# KiCad board Whimsy.kicad_pcb
title: Whimsy; date: 2020-03-06; rev: 0.2; company: Prkns
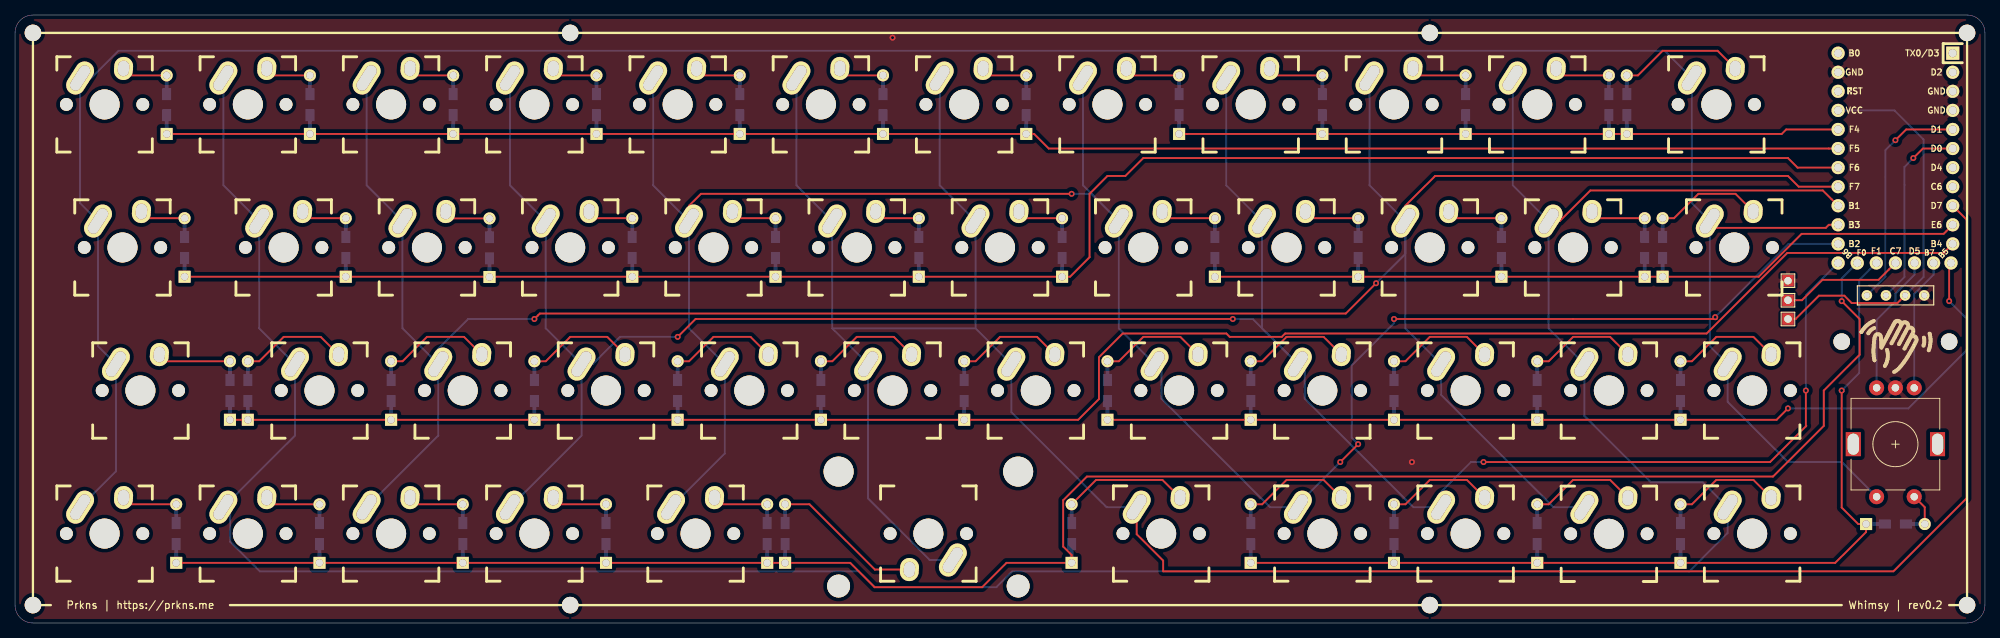
[diagram p0: board, top side]
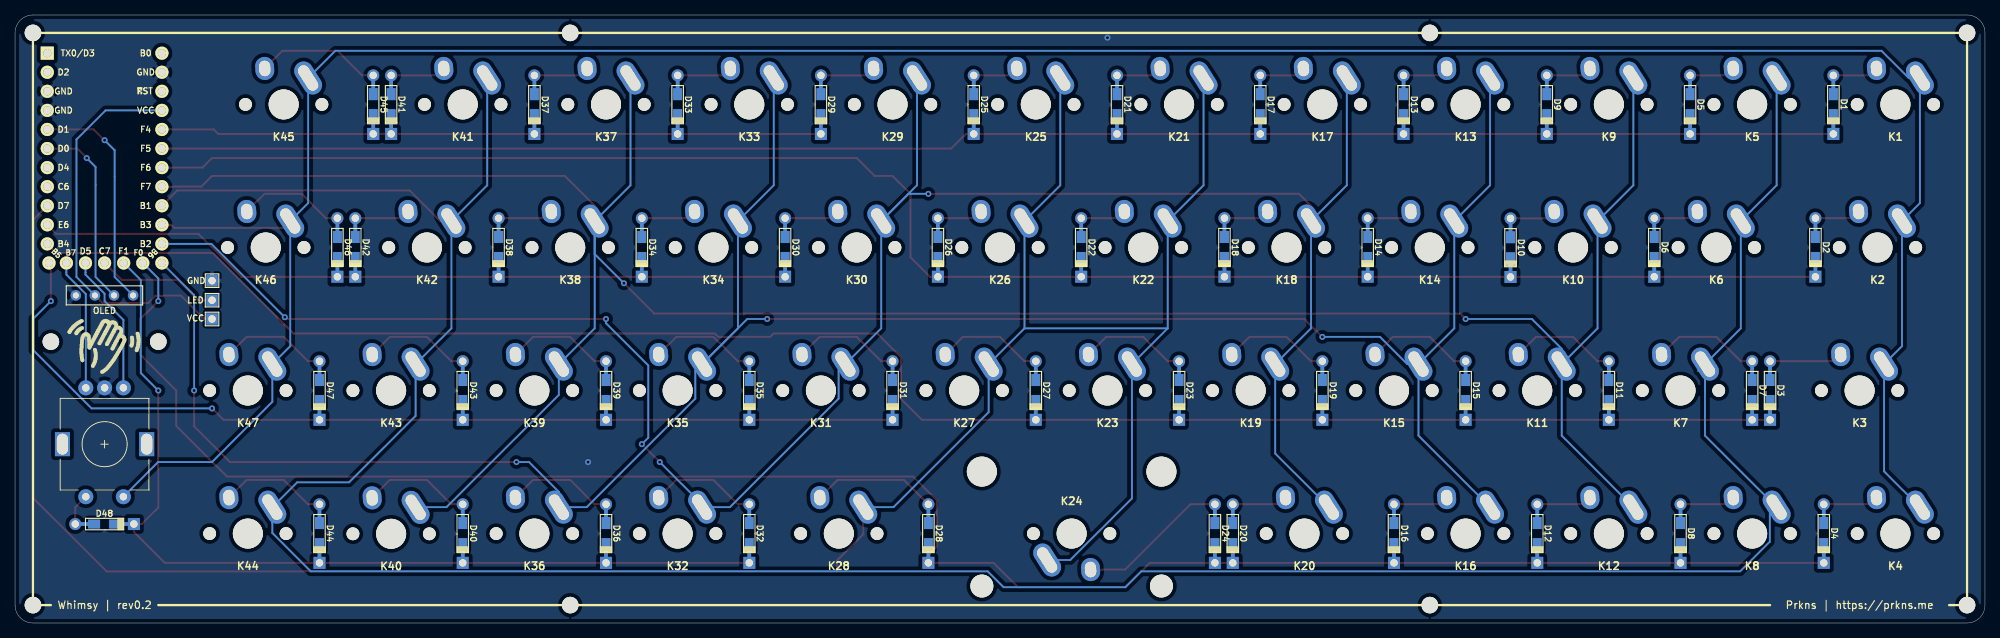
[diagram p1: board, bottom side, seen from below]

Outline 261.94 x 80.96 mm; copper layers: Top, Bottom. Coordinates in mm from the lower left corner of the outline.
Outline path: 0,78.58 arc(0.7,80.27) 2.38,80.96 259.56,80.96 arc(261.24,80.27) 261.94,78.58 261.94,2.38 arc(261.24,0.7) 259.56,0 2.38,0 arc(0.7,0.7) 0,2.38 0,78.58

## Placement (name value [footprint] x y rotation side)
BOTTOM_C_L  -  [MountingHole_2.2mm_M2]  73.82 2.38 0 top
BOTTOM_C_R  -  [MountingHole_2.2mm_M2]  188.12 2.38 0 top
BOTTOM_L  -  [MountingHole_2.2mm_M2]  2.38 2.38 0 top
BOTTOM_R  -  [MountingHole_2.2mm_M2]  259.56 2.38 0 top
D1  D  [Diode-Hybrid-Back]  20.16 69.02 270 top
D2  D  [Diode-Hybrid-Back]  22.54 50.01 270 top
D3  D  [Diode-Hybrid-Back]  28.57 30.96 270 top
D4  D  [Diode-Hybrid-Back]  21.43 11.91 270 top
D5  D  [Diode-Hybrid-Back]  39.21 69.02 270 top
D6  D  [Diode-Hybrid-Back]  43.97 50.01 270 top
D7  D  [Diode-Hybrid-Back]  30.96 30.96 270 top
D8  D  [Diode-Hybrid-Back]  40.48 11.91 270 top
D9  D  [Diode-Hybrid-Back]  58.26 69.02 270 top
D10  D  [Diode-Hybrid-Back]  63.09 49.97 270 top
D11  D  [Diode-Hybrid-Back]  50.01 30.96 270 top
D12  D  [Diode-Hybrid-Back]  59.53 11.91 270 top
D13  D  [Diode-Hybrid-Back]  77.31 69.02 270 top
D14  D  [Diode-Hybrid-Back]  82.07 50.01 270 top
D15  D  [Diode-Hybrid-Back]  69.06 30.96 270 top
D16  D  [Diode-Hybrid-Back]  78.58 11.91 270 top
D17  D  [Diode-Hybrid-Back]  96.36 69.02 270 top
D18  D  [Diode-Hybrid-Back]  101.12 50.01 270 top
D19  D  [Diode-Hybrid-Back]  88.11 30.96 270 top
D20  D  [Diode-Hybrid-Back]  100.01 11.91 270 top
D21  D  [Diode-Hybrid-Back]  115.41 69.02 270 top
D22  D  [Diode-Hybrid-Back]  120.17 50.01 270 top
D23  D  [Diode-Hybrid-Back]  107.16 30.96 270 top
D24  D  [Diode-Hybrid-Back]  102.39 11.91 270 top
D25  D  [Diode-Hybrid-Back]  134.46 69.02 270 top
D26  D  [Diode-Hybrid-Back]  139.22 50.01 270 top
D27  D  [Diode-Hybrid-Back]  126.21 30.96 270 top
D28  D  [Diode-Hybrid-Back]  140.49 11.91 270 top
D29  D  [Diode-Hybrid-Back]  154.78 69.02 270 top
D30  D  [Diode-Hybrid-Back]  159.54 50.01 270 top
D31  D  [Diode-Hybrid-Back]  145.26 30.96 270 top
D32  D  [Diode-Hybrid-Back]  164.31 11.91 270 top
D33  D  [Diode-Hybrid-Back]  173.83 69.02 270 top
D34  D  [Diode-Hybrid-Back]  178.59 50.01 270 top
D35  D  [Diode-Hybrid-Back]  164.31 30.96 270 top
D36  D  [Diode-Hybrid-Back]  183.36 11.91 270 top
D37  D  [Diode-Hybrid-Back]  192.88 69.02 270 top
D38  D  [Diode-Hybrid-Back]  197.64 50.01 270 top
D39  D  [Diode-Hybrid-Back]  183.36 30.96 270 top
D40  D  [Diode-Hybrid-Back]  202.41 11.91 270 top
D41  D  [Diode-Hybrid-Back]  211.93 69.02 270 top
D42  D  [Diode-Hybrid-Back]  216.69 50.01 270 top
D43  D  [Diode-Hybrid-Back]  202.41 30.96 270 top
D44  D  [Diode-Hybrid-Back]  221.46 11.91 270 top
D45  D  [Diode-Hybrid-Back]  214.31 69.02 270 top
D46  D  [Diode-Hybrid-Back]  219.08 50.01 270 top
D47  D  [Diode-Hybrid-Back]  221.46 30.96 270 top
D48  D  [Diode-Hybrid-Back]  250.03 13.18 180 top
J1  OLED  [OLED_4Pin]  246.24 43.62 0 top
J2  LED Breakout  [LED]  235.74 40.48 180 top
K1  KEYSW  [Mx_Alps_100]  11.91 69.06 0 top
K2  KEYSW  [Mx_Alps_125]  14.29 50.01 0 top
K3  KEYSW  [Mx_Alps_150]  16.67 30.96 0 top
K4  KEYSW  [Mx_Alps_100]  11.91 11.91 0 top
K5  KEYSW  [Mx_Alps_100]  30.96 69.06 0 top
K6  KEYSW  [Mx_Alps_100]  35.72 50.01 0 top
K7  KEYSW  [Mx_Alps_100]  40.48 30.96 0 top
K8  KEYSW  [Mx_Alps_100]  30.96 11.91 0 top
K9  KEYSW  [Mx_Alps_100]  50.01 69.06 0 top
K10  KEYSW  [Mx_Alps_100]  54.77 50.01 0 top
K11  KEYSW  [Mx_Alps_100]  59.53 30.96 0 top
K12  KEYSW  [Mx_Alps_100]  50.01 11.91 0 top
K13  KEYSW  [Mx_Alps_100]  69.06 69.06 0 top
K14  KEYSW  [Mx_Alps_100]  73.82 50.01 0 top
K15  KEYSW  [Mx_Alps_100]  78.58 30.96 0 top
K16  KEYSW  [Mx_Alps_100]  69.06 11.91 0 top
K17  KEYSW  [Mx_Alps_100]  88.11 69.06 0 top
K18  KEYSW  [Mx_Alps_100]  92.87 50.01 0 top
K19  KEYSW  [Mx_Alps_100]  97.63 30.96 0 top
K20  KEYSW  [Mx_Alps_125]  90.49 11.91 0 top
K21  KEYSW  [Mx_Alps_100]  107.16 69.06 0 top
K22  KEYSW  [Mx_Alps_100]  111.92 50.01 0 top
K23  KEYSW  [Mx_Alps_100]  116.68 30.96 0 top
K24  KEYSW  [Mx_Alps_200]  121.44 11.91 180 top
K25  KEYSW  [Mx_Alps_100]  126.21 69.06 0 top
K26  KEYSW  [Mx_Alps_100]  130.97 50.01 0 top
K27  KEYSW  [Mx_Alps_100]  135.73 30.96 0 top
K28  KEYSW  [Mx_Alps_125]  152.4 11.91 0 top
K29  KEYSW  [Mx_Alps_100]  145.26 69.06 0 top
K30  KEYSW  [Mx_Alps_100]  150.02 50.01 0 top
K31  KEYSW  [Mx_Alps_100]  154.78 30.96 0 top
K32  KEYSW  [Mx_Alps_100]  173.83 11.91 0 top
K33  KEYSW  [Mx_Alps_100]  164.31 69.06 0 top
K34  KEYSW  [Mx_Alps_100]  169.07 50.01 0 top
K35  KEYSW  [Mx_Alps_100]  173.83 30.96 0 top
K36  KEYSW  [Mx_Alps_100]  192.88 11.91 0 top
K37  KEYSW  [Mx_Alps_100]  183.36 69.06 0 top
K38  KEYSW  [Mx_Alps_100]  188.12 50.01 0 top
K39  KEYSW  [Mx_Alps_100]  192.88 30.96 0 top
K40  KEYSW  [Mx_Alps_100]  211.93 11.87 0 top
K41  KEYSW  [Mx_Alps_100]  202.41 69.06 0 top
K42  KEYSW  [Mx_Alps_100]  207.17 50.01 0 top
K43  KEYSW  [Mx_Alps_100]  211.93 30.96 0 top
K44  KEYSW  [Mx_Alps_100]  230.98 11.91 0 top
K45  KEYSW  [Mx_Alps_150]  226.22 69.06 0 top
K46  KEYSW  [Mx_Alps_125]  228.6 50.01 0 top
K47  KEYSW  [Mx_Alps_100]  230.98 30.96 0 top
OLED_L  -  [MountingHole_2.2mm_M2]  242.89 37.47 0 top
OLED_R  -  [MountingHole_2.2mm_M2]  257.18 37.47 0 top
SW1  Rotary_Encoder_Switch  [RotaryEncoder_Alps_EC11E-Switch_Vertical_H20mm-keebio_modified]  250.03 23.81 270 top
TOP_C_L  -  [MountingHole_2.2mm_M2]  73.82 78.58 0 top
TOP_C_R  -  [MountingHole_2.2mm_M2]  188.12 78.58 0 top
TOP_L  -  [MountingHole_2.2mm_M2]  2.38 78.58 0 top
TOP_R  -  [MountingHole_2.2mm_M2]  259.56 78.58 0 top
U1  -  [Elite-C]  250.03 61.91 270 bottom
Wave Back  -  [Wave-Back]  245.27 40.48 0 top
Wave Back#2  -  [Wave-Back]  245.27 40.48 0 bottom

## Library data of the parts
J2 = -: Field4: VCC; Field5: GND; Field6: LED

## Footprints (pads in the part's own frame, mm; a bottom-side part is the same pattern mirrored in y, then rotated)
Diode-Hybrid-Back
  rect 1.6x1.2 smd far side: 1(1.4,0) 2(-1.4,0)
  rect 2.9x0.5 smd far side: 1(2.5,0) 2(-2.5,0)
  rect 1.6x1.6 hole 1: 1(3.9,0)
  round 1.6 hole 1: 2(-3.9,0)
Elite-C
  rect 1.753x1.753 hole 1.092: 1(-13.97,-7.62)
  round 1.753 hole 1.092: 2(-11.43,-7.62) 3(-8.89,-7.62) 4(-6.35,-7.62) 5(-3.81,-7.62) 6(-1.27,-7.62) 7(1.27,-7.62) 8(3.81,-7.62) 9(6.35,-7.62) 10(8.89,-7.62) 11(11.43,-7.62) 12(13.97,-7.391) 13(13.97,7.62) 14(11.43,7.62) 15(8.89,7.62) 16(6.35,7.62) 17(3.81,7.62) 18(1.27,7.62) 19(-1.27,7.62) 20(-3.81,7.62) 21(-6.35,7.62) 22(-8.89,7.62) 23(-11.43,7.62) 24(-13.97,7.62) 25(13.97,-5.08) 26(13.97,-2.54) 27(13.97,0) 28(13.97,2.54) 29(13.97,5.08)
LED
  rect 1.524x1.524 hole 1: 1(0,0) 2(0,-2.5) 3(0,-5.1)
MountingHole_2.2mm_M2
  round 2.2 hole 2.2 unplated: (0,0)
Mx_Alps_100
  round 1.702 hole 1.702 unplated: (-5.08,0) (5.08,0)
  round 3.988 hole 3.988 unplated: (0,0)
  oval 2.5x4.75 hole 1.5x3.75 rot 147.5: 1(-3.255,3.52)
  oval 2.5x3.08 hole 1.5x2.08 rot 176.1: 2(2.52,4.79)
Mx_Alps_125
  round 1.702 hole 1.702 unplated: (-5.08,0) (5.08,0)
  round 3.988 hole 3.988 unplated: (0,0)
  oval 2.5x4.75 hole 1.5x3.75 rot 147.5: 1(-3.255,3.52)
  oval 2.5x3.08 hole 1.5x2.08 rot 176.1: 2(2.52,4.79)
Mx_Alps_150
  round 1.702 hole 1.702 unplated: (-5.08,0) (5.08,0)
  round 3.988 hole 3.988 unplated: (0,0)
  oval 2.5x4.75 hole 1.5x3.75 rot 147.5: 1(-3.255,3.52)
  oval 2.5x3.08 hole 1.5x2.08 rot 176.1: 2(2.52,4.79)
Mx_Alps_200
  round 3.048 hole 3.048 unplated: (-11.938,6.985) (11.938,6.985)
  round 3.988 hole 3.988 unplated: (-11.938,-8.255) (0,0) (11.938,-8.255)
  round 1.702 hole 1.702 unplated: (-5.08,0) (5.08,0)
  oval 2.5x4.75 hole 1.5x3.75 rot 147.5: 1(-3.255,3.52)
  oval 2.5x3.08 hole 1.5x2.08 rot 176.1: 2(2.52,4.79)
OLED_4Pin
  round 1.397 hole 0.813: 1(0,0) 2(2.54,0) 3(5.08,0) 4(7.62,0)
RotaryEncoder_Alps_EC11E-Switch_Vertical_H20mm-keebio_modified
  round 2 hole 1: A(-7.5,2.5) B(-7.5,-2.5) C(-7.5,0) S1(7,-2.5) S2(7,2.5)
  rect 3.2x2 hole 2.8x1.5: MP(0,5.6) MP(0,-5.6)

## Nets
GND: J1.4 J2.3 SW1.C U1.3 U1.4 U1.23
VCC: J1.3 J2.1 U1.21
col0: K1.1 K2.1 K3.1 K4.1 K45.1 K46.1 K47.1 SW1.S1 U1.15
col1: K5.1 K6.1 K7.1 K8.1 K41.1 K42.1 K43.1 K44.1 U1.16
col2: K9.1 K10.1 K11.1 K12.1 K37.1 K38.1 K39.1 K40.1 U1.17
col3: K13.1 K14.1 K15.1 K16.1 K33.1 K34.1 K35.1 K36.1 U1.13
col4: K17.1 K18.1 K19.1 K20.1 K29.1 K30.1 K31.1 K32.1 U1.14
col5: K21.1 K22.1 K23.1 K24.1 K25.1 K26.1 K27.1 K28.1 U1.9
LED: J2.2 U1.27
rot0: SW1.A U1.25
rot1: SW1.B U1.26
row0: D1.1 D5.1 D9.1 D13.1 D17.1 D21.1 D25.1 U1.19
row1: D2.1 D6.1 D10.1 D14.1 D18.1 D22.1 D26.1 U1.18
row2: D3.1 D7.1 D11.1 D15.1 D19.1 D23.1 D27.1 U1.11
row3: D4.1 D8.1 D12.1 D16.1 D20.1 D24.1 D28.1 U1.29
row4: D29.1 D33.1 D37.1 D41.1 D45.1 U1.20
row5: D30.1 D34.1 D38.1 D42.1 D46.1 U1.10
row6: D31.1 D35.1 D39.1 D43.1 D47.1 U1.12
row7: D32.1 D36.1 D40.1 D44.1 D48.1 U1.28
SCL: J1.2 U1.6
SDA: J1.1 U1.5
Net-(D1-Pad2): D1.2 K1.2
Net-(D2-Pad2): D2.2 K2.2
Net-(D3-Pad2): D3.2 K3.2
Net-(D4-Pad2): D4.2 K4.2
Net-(D5-Pad2): D5.2 K5.2
Net-(D6-Pad2): D6.2 K6.2
Net-(D7-Pad2): D7.2 K7.2
Net-(D8-Pad2): D8.2 K8.2
Net-(D9-Pad2): D9.2 K9.2
Net-(D10-Pad2): D10.2 K10.2
Net-(D11-Pad2): D11.2 K11.2
Net-(D12-Pad2): D12.2 K12.2
Net-(D13-Pad2): D13.2 K13.2
Net-(D14-Pad2): D14.2 K14.2
Net-(D15-Pad2): D15.2 K15.2
Net-(D16-Pad2): D16.2 K16.2
Net-(D17-Pad2): D17.2 K17.2
Net-(D18-Pad2): D18.2 K18.2
Net-(D19-Pad2): D19.2 K19.2
Net-(D20-Pad2): D20.2 K20.2
Net-(D21-Pad2): D21.2 K21.2
Net-(D22-Pad2): D22.2 K22.2
Net-(D23-Pad2): D23.2 K23.2
Net-(D24-Pad2): D24.2 K24.2
Net-(D25-Pad2): D25.2 K25.2
Net-(D26-Pad2): D26.2 K26.2
Net-(D27-Pad2): D27.2 K27.2
Net-(D28-Pad2): D28.2 K28.2
Net-(D29-Pad2): D29.2 K29.2
Net-(D30-Pad2): D30.2 K30.2
Net-(D31-Pad2): D31.2 K31.2
Net-(D32-Pad2): D32.2 K32.2
Net-(D33-Pad2): D33.2 K33.2
Net-(D34-Pad2): D34.2 K34.2
Net-(D35-Pad2): D35.2 K35.2
Net-(D36-Pad2): D36.2 K36.2
Net-(D37-Pad2): D37.2 K37.2
Net-(D38-Pad2): D38.2 K38.2
Net-(D39-Pad2): D39.2 K39.2
Net-(D40-Pad2): D40.2 K40.2
Net-(D41-Pad2): D41.2 K41.2
Net-(D42-Pad2): D42.2 K42.2
Net-(D43-Pad2): D43.2 K43.2
Net-(D44-Pad2): D44.2 K44.2
Net-(D45-Pad2): D45.2 K45.2
Net-(D46-Pad2): D46.2 K46.2
Net-(D47-Pad2): D47.2 K47.2
Net-(D48-Pad2): D48.2 SW1.S2
Net-(U1-Pad1): U1.1
Net-(U1-Pad2): U1.2
Net-(U1-Pad7): U1.7
Net-(U1-Pad8): U1.8
Net-(U1-Pad22): U1.22
Net-(U1-Pad24): U1.24

Pads without a net: SW1 MP

## Via types
v1: diameter 0.8, hole 0.4, Top to Bottom, 19 vias

## Routing (per net, layer and track width the routed paths; a pad name or vN(x,y) marks a point on that pad's centre or on a via; arc(x,y) is an arc through that point)
GND:
  vias: v1(116.68,77.95) v1(185.74,21.43)
VCC: length 52.4
  Top w0.25: J2.1 236.76,40.48 239.86,43.59 243.24,43.59 244.22,42.6 250.29,42.6 J1.3
  Bottom w0.25: J1.3 253.77,46.08 253.77,64.38 249.89,68.26 U1.21
col0: length 366.7
  Top w0.25: U1.15 241.17,53.02 240.77,52.62 226.25,52.62 K46.1
  Bottom w0.25: K1.1 8.65,55.91 K2.1 11.03,36.86 K3.1 13.41,20.19 K4.1 ; K1.1 9.23,72.58 ; K1.1 10.13,72.58 13.76,76.2 219.34,76.2 K45.1 222.96,55.91 K46.1 225.34,36.86 K47.1 227.73,29.45 235.74,21.43 242.91,21.43 SW1.S1
col1: length 397.1
  Top w0.25: U1.16 240.37,57.6 209.47,57.6 205.4,53.53 K42.1
  Bottom w0.25: 37.23,34.48 37.23,24.95 K8.1 28.61,14.52 28.61,10.82 32.55,6.88 112.18,6.88 114.3,4.76 130.49,4.76 132.61,6.88 222.62,6.88 227.73,11.99 K44.1 224.42,18.73 217.52,18.73 208.68,27.58 K43.1 203.91,39.24 K42.1 199.15,58.29 K41.1 ; 37.23,34.48 38.13,33.57 ; 37.23,34.48 37.23,30.78 ; 37.23,34.48 32.46,39.24 K6.1 27.7,58.29 K5.1
col2: length 338.5
  Top w0.25: U1.17 237.17,58.1 235.74,59.53 188.83,59.53 184.86,55.57 K38.1 ; v1(180.98,45.24) 176.94,41.21 69.78,41.21 v1(69.06,40.48)
  Bottom w0.25: K9.1 46.75,58.29 K10.1 51.51,39.24 56.28,34.48 ; K12.1 56.28,24.95 56.28,34.48 ; 208.68,15.43 204.57,15.43 189.63,30.37 K39.1 184.86,39.24 K38.1 ; K38.1 180.1,58.29 K37.1 ; K38.1 184.86,49.13 v1(180.98,45.24) ; 56.28,34.48 56.28,36.52 60.24,40.48 v1(69.06,40.48)
col3: length 314.2
  Top w0.25: v1(195.26,21.43) 233.36,21.43 238.12,26.19 ; v1(88.11,38.1) 90.49,40.48 v1(161.93,40.48) ; 238.19,26.26 238.12,26.19 ; 238.12,26.19 v1(238.12,30.96)
  Bottom w0.25: K15.1 76.81,34.48 80.43,38.1 v1(88.11,38.1) ; K15.1 70.56,39.24 K14.1 65.8,58.29 K13.1 ; K15.1 75.33,24.95 K16.1 ; K33.1 161.05,58.29 K34.1 165.81,39.24 K35.1 ; K35.1 164.57,40.48 v1(161.93,40.48) ; K35.1 171.48,33.57 171.48,29.87 185.93,15.43 K36.1 189.63,17.47 193.59,21.43 v1(195.26,21.43) ; v1(238.12,30.96) 238.12,43.66 U1.13
col4: length 291.2
  Top w0.25: v1(226.07,40.72) 226.22,40.57 226.22,40.48 v1(183.36,40.48) ; v1(140.49,57.15) 91.2,57.15 89.61,55.57 K18.1 ; v1(178.59,23.81) v1(176.21,21.43)
  Bottom w0.25: U1.14 235.83,50.48 v1(226.07,40.72) ; v1(178.59,23.81) 177.74,24.67 177.74,34.29 183.36,39.92 v1(183.36,40.48) ; K17.1 84.85,58.29 K18.1 89.61,39.24 K19.1 94.38,22.57 K20.1 ; K30.1 142,58.29 K29.1 ; K30.1 146.76,39.24 K31.1 152.43,33.57 152.43,29.87 166.88,15.43 K32.1 170.58,15.8 v1(176.21,21.43) ; K30.1 143.14,57.15 v1(140.49,57.15)
col5: length 324.6
  Top w0.25: K28.1 149.15,11.82 152.66,8.3 152.66,6.88 249.77,6.88 259.5,16.61 259.5,53.71 U1.9
  Bottom w0.25: K21.1 103.9,58.29 K22.1 108.66,39.24 ; 108.66,39.24 K23.1 113.43,16.58 121.62,8.39 K24.1 ; 108.66,39.24 127.71,39.24 ; 127.71,39.24 K26.1 122.95,58.29 K25.1 ; 127.71,39.24 K27.1 132.48,28.08 145.13,15.43 K28.1
LED: length 16.3
  Top w0.25: J2.2 237.61,42.98 240.32,45.69 247.78,45.69 U1.27
rot0: length 17.7
  Bottom w0.25: SW1.A 252.53,43.81 255.11,46.39 U1.25
rot1: length 18.7
  Bottom w0.25: SW1.B 247.53,40.36 250.03,42.86 250.03,43.85 252.57,46.39 U1.26
row0: length 223.1
  Top w0.25: U1.19 137.45,63.18 135.51,65.12 D25.1 D1.1
row1: length 231.9
  Top w0.25: D2.1 D26.1 140.27,46.11 142.88,48.71 142.88,57.15 145.26,59.53 147.64,59.53 150.02,61.91 235.74,61.91 237.01,60.64 U1.18
row2: length 242.4
  Top w0.25: U1.11 256.45,49.28 235.66,49.28 224.92,38.55 168.88,38.55 168.43,38.1 161.52,38.1 161.07,38.55 147.29,38.55 144.13,35.4 144.13,29.83 141.36,27.06 D27.1 D3.1
row3: length 261.3
  Top w0.25: v1(242.89,42.86) 245.27,40.48 245.27,35.72 240.51,30.96 240.51,26.25 233.76,19.5 142.52,19.5 139.37,16.35 139.37,10.18 140.49,9.06 D28.1 131.83,8.01 128.59,4.76 114.3,4.76 111.06,8.01 D24.1 D4.1
  Bottom w0.25: U1.29 242.89,45.88 v1(242.89,42.86)
row4: length 88.9
  Top w0.25: 215.36,65.12 D45.1 ; D45.1 D29.1 ; D45.1 234.91,65.12 235.51,65.72 U1.20
row5: length 101
  Top w0.25: D30.1 D46.1 231.84,46.11 237.56,51.82 256.45,51.82 U1.10
row6: length 130.8
  Top w0.25: v1(235.74,28.58) 234.23,27.06 D47.1 D31.1 ; U1.12 257.18,47.69 v1(257.18,42.86)
  Bottom w0.25: v1(235.74,28.58) 251.75,28.58 259.5,36.32 259.5,40.54 v1(257.18,42.86)
row7: length 123.2
  Top w0.25: v1(242.89,30.96) 242.89,15.37 245.08,13.18 D48.1 246.13,12.11 242.03,8.01 D32.1
  Bottom w0.25: U1.28 245.21,45.66 245.21,33.28 v1(242.89,30.96)
SCL: length 25.6
  Top w0.25: U1.6 253.68,63.18 v1(252.41,61.91)
  Bottom w0.25: J1.2 251.23,46.08 251.23,60.73 v1(252.41,61.91)
SDA: length 30.5
  Top w0.25: U1.5 251.46,65.72 v1(250.03,64.29)
  Bottom w0.25: v1(250.03,64.29) 248.69,62.96 248.69,46.08 J1.1
Net-(D1-Pad2): length 6.1
  Top w0.25: K1.2 15.35,72.92 D1.2
Net-(D2-Pad2): length 6.1
  Top w0.25: D2.2 17.7,53.91 K2.2
Net-(D3-Pad2): length 9.8
  Top w0.25: K3.2 20.08,34.86 D3.2
Net-(D4-Pad2): length 7.4
  Top w0.25: K4.2 15.32,15.81 D4.2
Net-(D5-Pad2): length 6.1
  Top w0.25: K5.2 34.4,72.92 D5.2
Net-(D6-Pad2): length 6.1
  Top w0.25: K6.2 39.13,53.91 D6.2
Net-(D7-Pad2): length 14.4
  Top w0.25: D7.2 32.47,34.86 35.72,38.1 40.65,38.1 K7.2
Net-(D8-Pad2): length 7.4
  Top w0.25: D8.2 34.37,15.81 K8.2
Net-(D9-Pad2): length 6.1
  Top w0.25: D9.2 53.45,72.92 K9.2
Net-(D10-Pad2): length 6.2
  Top w0.25: K10.2 58.21,53.87 D10.2
Net-(D11-Pad2): length 14.4
  Top w0.25: D11.2 51.52,34.86 54.77,38.1 59.7,38.1 K11.2
Net-(D12-Pad2): length 7.4
  Top w0.25: D12.2 53.42,15.81 K12.2
Net-(D13-Pad2): length 6.1
  Top w0.25: K13.2 72.5,72.92 D13.2
Net-(D14-Pad2): length 6.1
  Top w0.25: D14.2 77.23,53.91 K14.2
Net-(D15-Pad2): length 14.4
  Top w0.25: K15.2 78.75,38.1 73.82,38.1 70.58,34.86 D15.2
Net-(D16-Pad2): length 7.4
  Top w0.25: D16.2 72.47,15.81 K16.2
Net-(D17-Pad2): length 6.1
  Top w0.25: K17.2 91.55,72.92 D17.2
Net-(D18-Pad2): length 6.1
  Top w0.25: D18.2 96.28,53.91 K18.2
Net-(D19-Pad2): length 14.4
  Top w0.25: D19.2 89.62,34.86 92.87,38.1 97.8,38.1 K19.2
Net-(D20-Pad2): length 7.4
  Top w0.25: D20.2 93.9,15.81 K20.2
Net-(D21-Pad2): length 6.1
  Top w0.25: D21.2 110.6,72.92 K21.2
Net-(D22-Pad2): length 6.1
  Top w0.25: D22.2 115.33,53.91 K22.2
Net-(D23-Pad2): length 14.4
  Top w0.25: K23.2 116.85,38.1 111.92,38.1 108.67,34.86 D23.2
Net-(D24-Pad2): length 20.1
  Top w0.25: D24.2 105.64,15.81 114.33,7.12 K24.2
Net-(D25-Pad2): length 6.1
  Top w0.25: K25.2 129.65,72.92 D25.2
Net-(D26-Pad2): length 6.1
  Top w0.25: D26.2 134.38,53.91 K26.2
Net-(D27-Pad2): length 14.4
  Top w0.25: D27.2 127.73,34.86 130.97,38.1 135.9,38.1 K27.2
Net-(D28-Pad2): length 16.7
  Top w0.25: K28.2 152.57,19.05 143.74,19.05 D28.2
Net-(D29-Pad2): length 7.4
  Top w0.25: 147.78,73.85 148.7,72.92 D29.2
Net-(D30-Pad2): length 7.4
  Top w0.25: K30.2 153.43,53.91 D30.2
Net-(D31-Pad2): length 14.4
  Top w0.25: D31.2 146.78,34.86 150.02,38.1 154.95,38.1 K31.2
Net-(D32-Pad2): length 14.4
  Top w0.25: D32.2 165.83,15.81 169.07,19.05 174,19.05 K32.2
Net-(D33-Pad2): length 7.4
  Top w0.25: D33.2 167.75,72.92 K33.2
Net-(D34-Pad2): length 7.4
  Top w0.25: K34.2 172.48,53.91 D34.2
Net-(D35-Pad2): length 14.4
  Top w0.25: D35.2 165.83,34.86 169.07,38.1 174,38.1 K35.2
Net-(D36-Pad2): length 14.4
  Top w0.25: D36.2 184.88,15.81 188.12,19.05 193.05,19.05 K36.2
Net-(D37-Pad2): length 7.4
  Top w0.25: 185.88,73.85 186.8,72.92 D37.2
Net-(D38-Pad2): length 7.4
  Top w0.25: K38.2 191.53,53.91 D38.2
Net-(D39-Pad2): length 14.4
  Top w0.25: D39.2 184.88,34.86 188.12,38.1 193.05,38.1 K39.2
Net-(D40-Pad2): length 14.4
  Top w0.25: 214.45,16.7 212.1,19.05 207.17,19.05 203.93,15.81 D40.2
Net-(D41-Pad2): length 7.4
  Top w0.25: D41.2 205.85,72.92 K41.2
Net-(D42-Pad2): length 7.4
  Top w0.25: K42.2 210.58,53.91 D42.2
Net-(D43-Pad2): length 14.4
  Top w0.25: D43.2 203.93,34.86 207.17,38.1 212.1,38.1 K43.2
Net-(D44-Pad2): length 14.4
  Top w0.25: D44.2 222.98,15.81 226.22,19.05 231.15,19.05 K44.2
Net-(D45-Pad2): length 16.8
  Top w0.25: D45.2 215.8,72.92 219.08,76.2 226.39,76.2 K45.2
Net-(D46-Pad2): length 14.4
  Top w0.25: D46.2 220.59,53.91 223.84,57.15 228.77,57.15 K46.2
Net-(D47-Pad2): length 14.4
  Top w0.25: D47.2 222.98,34.86 226.22,38.1 231.15,38.1 K47.2
Net-(D48-Pad2): length 4.2
  Top w0.25: SW1.S2 253.93,15.41 D48.2

## Copper pours and planes (outline as drawn; the poured copper is in the pictures)
GND on Top: 261.94,0 0,0 0,80.96 261.94,80.96
GND on Bottom: 261.94,0 0,0 0,80.96 261.94,80.96

## Text on the board
B.SilkS: Prkns | https://prkns.me | Whimsy | rev0.2
F.SilkS: Prkns | https://prkns.me | Whimsy | rev0.2
